# Altium PCB RFSOC_SAWG.PcbDoc (part 15 of 15)
Units mm, origin at the board's own origin, x right, y up, seen from the top; angles counter-clockwise.
Board outline 221.25 x 100 mm, 8 copper layers (Top Layer, Mid-Layer 2, Mid-Layer 3, Mid-Layer 4, Mid-Layer 5, Mid-Layer 6, Mid-Layer 7, Bottom Layer), stack 1.455 mm thick; 1107 components, 833 nets, 3980 pads, 2483 vias.
Unrouted connection lines stored in the file: 1.
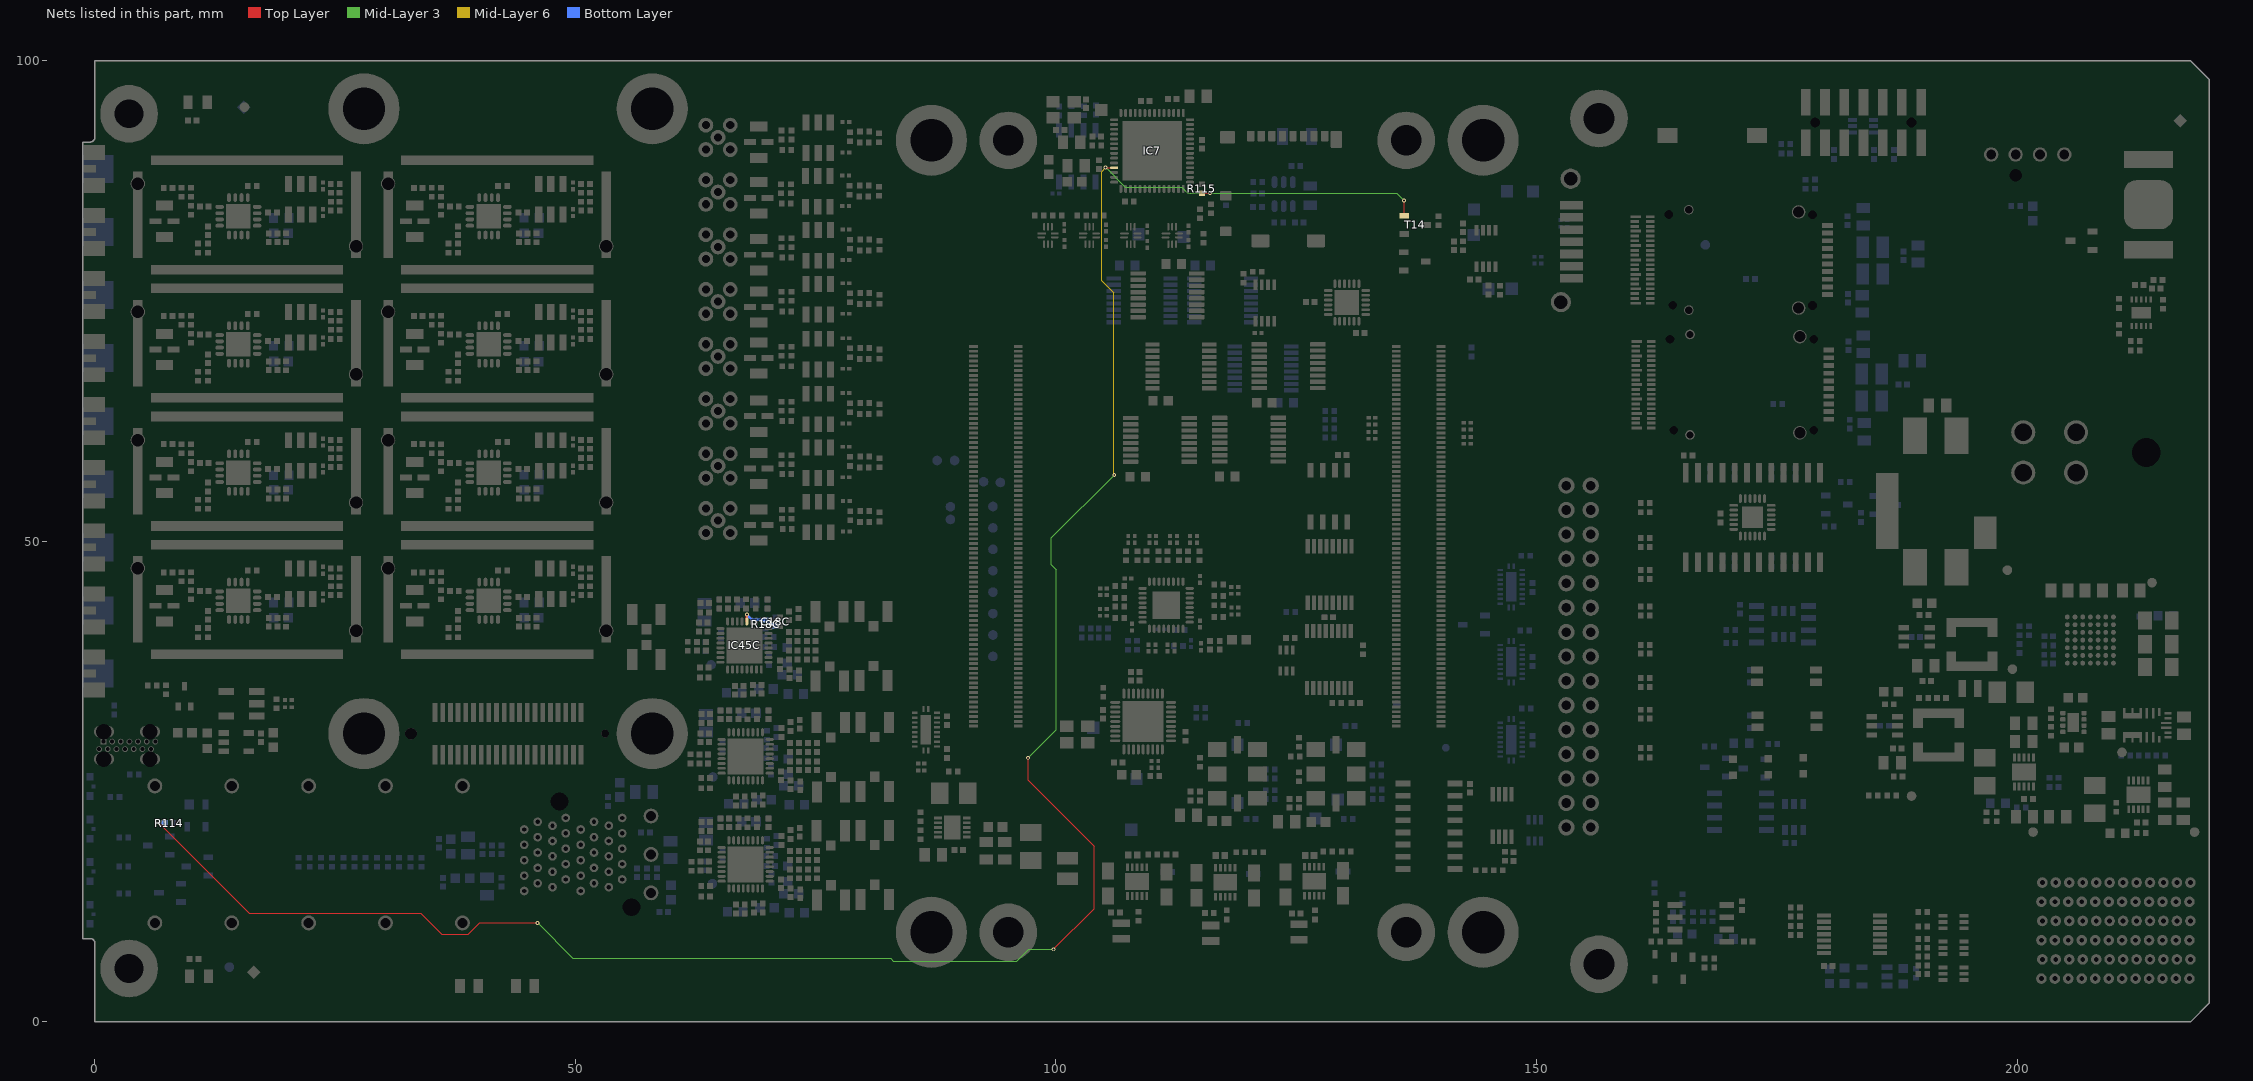
[diagram p21: the nets of this part, all layers, seen from the top]

## Via types
v1: diameter 0.4, hole 0.2, Top Layer to Bottom Layer, tented both sides, 1996 vias
v2: diameter 0.55, hole 0.2, Top Layer to Bottom Layer, 149 vias
v3: diameter 0.5, hole 0.2, Top Layer to Bottom Layer, tented both sides, 106 vias
v4: diameter 0.6, hole 0.3, Top Layer to Bottom Layer, tented both sides, 99 vias
v5: diameter 0.4, hole 0.15, Top Layer to Bottom Layer, tented both sides, 60 vias
v6: diameter 0.6, hole 0.3, Top Layer to Bottom Layer, 32 vias
v7: diameter 0.8, hole 0.5, Top Layer to Bottom Layer, tented both sides, 23 vias
v8: diameter 0.3/0.4/0.4/0.4/0.4/0.3 (per signal layer), hole 0.2, Top Layer to Bottom Layer, tented both sides, 12 vias
v9: diameter 0.4, hole 0.2, Top Layer to Bottom Layer, 5 vias
v10: diameter 0.5, hole 0.2, Top Layer to Bottom Layer, 1 vias

## Nets (pads, with @x,y where several pads share a name; then routed paths per layer and width w, separated by ;. In a path a pad name is that pad's centre, name@x,y a point inside that pad or via, vN(x,y) a via of type N, cw(c..) or ccw(c..) an arc to the next point about the centre after c; other vN are vias at no path point) (continued)
VtuneC: C18C.2 IC45C.20 R18C.2 | length 4.2
  Top Layer w0.254: IC45C.20@67.847,41.668 67.853,41.674 67.853,42.377 v1(67.859,42.383)
  Bottom Layer w0.254: v1(67.859,42.383) 67.859,42.343 68.365,41.838 69.817,41.838 70.178,41.477 70.538,41.477 C18C.2@70.822,41.193
VUSB_PRESENT: IC7.11 R114.2 R115.2 T14.1 | length 227.8
  Top Layer w0.127: v1(6.65,20.725) 16.075,11.3 33.925,11.3 36.125,9.1 38.85,9.1 40.05,10.3 v1(46.075,10.3) ; v1(97.1,27.475) 97.1,25.15 103.991,18.259 103.991,11.79 v1(99.75,7.55) ; v1(105.175,88.9) 105.19,88.885 106.04,88.885 IC7.11@106.055,88.87 ; R115.2@115.2,86.205 115.22,86.225 v1(116.045,86.225) ; T14.1@136.225,83.87 v1(136.225,85.46)
  Mid-Layer 3 w0.127: v1(46.075,10.3) 49.75,6.625 82.8,6.625 83.1,6.325 95.925,6.325 97.15,7.55 v1(99.75,7.55) ; v1(97.1,27.475) 100.025,30.4 100.025,47.05 99.525,47.55 99.525,50.35 v1(106.075,56.9) ; v1(105.175,88.9) 107.225,86.85 113.075,86.85 113.725,86.2 116.019,86.2 v1(116.045,86.225) ; v1@116.045,86.2 135.485,86.2 v1(136.225,85.46)
  Mid-Layer 6 w0.127: v1(105.175,88.9) 104.75,88.475 104.75,77.125 106.025,75.85 106.025,56.95 v1(106.075,56.9)
  Bottom Layer w0.127: v1(6.65,20.725) 7.205,20.725 R114.2@7.255,20.675
pads on no net: D6.5 D8.4 D8.5 D8.6 D10.5 FTG1.FTG2 FTG2.1 FTG3.FTG2 FTG4.1 FTG5.FTG2 FTG6.1 IC2.4 IC2.5 IC2.6 IC2.10 IC2.15 IC4.8 IC4.10 IC4.12 IC4.13 IC4.14 IC4.15 IC5.7 IC7.17 IC7.18 IC7.19 IC7.20 IC7.25 IC7.26 IC7.29 IC7.30 IC7.34 IC7.35 IC7.37 IC7.38 IC7.39 IC7.40 IC7.47 IC7.48 IC7.49 IC7.51 IC7.52 IC7.53 IC7.54 IC14.4 IC17.11 IC21.7 IC21.9 IC21.10 IC21.11 IC21.12 IC22.2 IC22.3 IC22.4 IC22.9 IC22.11 IC22.12 IC22.13 IC22.14 IC22.15 IC22.27 IC22.30 IC22.33 IC22.34 IC22.35 IC23.9 IC24A.4 IC24A.6 IC24A.7 IC24A.8 IC24A.13 IC24A.14 IC24A.15 IC24A.16 IC24B.4 IC24B.6 IC24B.7 IC24B.8 IC24B.13 IC24B.14 IC24B.15 IC24B.16 IC24C.4 IC24C.6 IC24C.7 IC24C.8 IC24C.13 IC24C.14 IC24C.15 IC24C.16 IC24D.4 IC24D.6 IC24D.7 IC24D.8 IC24D.13 IC24D.14 IC24D.15 IC24D.16 IC24E.4 IC24E.6 IC24E.7 IC24E.8 IC24E.13 IC24E.14 IC24E.15 IC24E.16 IC24F.4 IC24F.6 IC24F.7 IC24F.8 IC24F.13 IC24F.14 IC24F.15 IC24F.16 IC24G.4 IC24G.6 IC24G.7 IC24G.8 IC24G.13 IC24G.14 IC24G.15 IC24G.16 IC24H.4 IC24H.6 IC24H.7 IC24H.8 IC24H.13 IC24H.14 IC24H.15 IC24H.16 IC25.7 IC29.7 IC29.8 IC29.12 IC29.13 IC29.16 IC29.17 IC31.3 IC31.5 IC31.6 IC36.B7 IC36.F2 IC36.G5 IC37.7 IC42.16 IC42.17 IC44.4 IC46.5 IC48.7 IC49.7 IC50.7 IC51.7 J1.MECH1 J1.MECH2 J5.41 J5.42 J5.A8 J5.A9 J5.A11 J5.A12 J5.B8 J5.B9 J5.B11 J5.B12 J6.9 J6.13 J6.14 J19.B1 J19.B6 J19.C6 J19.H6 J19.I6 J19.K6 J19.L2 J19.L6 J21.H1 J22.41 J22.42 J22.A8 J22.A9 J22.A11 J22.A12 J22.B8 J22.B9 J22.B11 J22.B12 J23.9 J23.13 J23.14 J24.9 J24.17 J24.19 J24.21 J24.23 J24.25 J24.27 J24.29 J24.31 J24.33 J24.35 J24.37 J24.38 J24.39 J24.40 J24.41 J24.42 J24.44 J24.46 J24.47 J25.1 J25.2 J25.150 J25.152 J34.12 J34.15 J34.16 J38.5 J53.14 J53.15 LD2.3 LD4.3 LD5.3 LD15.3 P1.29 P1.31 P1.33 P1.35 P1.36 P1.M1 P1.M2 S1. S1.1 S2. S2.1 S3. S3.1 S4. S4.1 S5. S5.1 S6. S6.1 S7. S7.1 S8. S8.1 TR2.2 TR4A.1 TR4B.1 TR4C.1 TR4D.1 TR4E.1 TR4F.1 TR4G.1 TR4H.1

## Polygon pours and split planes (outlines as drawn)
STRIP3 on Bottom Layer "esd1" (solid, pour order 44): 0.25,2.27 40,2.27 40,1.05 0.25,1.05
STRIP1 on Bottom Layer "STRIP1_L08_P019" (solid, pour order 19): 217.533,1 217.55,1 218.79,2.24 120,2.24 120,1
STRIP2 on Bottom Layer "esd1" (solid, pour order 18): 82.933,1 100,1 100,2.269 45,2.269 45,1
STRIP3 on Bottom Layer "esd1" (solid, remove dead copper, pour order 15): 0.25,8.675 7.375,8.675 7.375,2.55 40,2.55 40,1.05 0.25,1.05
no net on Mid-Layer 3 "balance" (solid, pour order 62): 0,100 0,0 220,0 220,100 217.3,100
GND on Mid-Layer 3 "GND_L03_P053" (solid, remove dead copper, pour order 53): 151.007,84.982 150.275,84.25 150.275,61 164.625,61 164.65,60.975 165.3,61.625 165.3,84.95
P12V0 on Mid-Layer 3 "P12V0_L03_P054" (solid, pour order 54): 218.995,5.8 194.7,5.8 194.7,2.775 219.029,2.775
P3V3_ADCLK on Mid-Layer 3 "P3V3_ADCLK_L03_P049" (solid, remove dead copper, pour order 49): 116.225,39.175 116.225,47.125 106.55,47.125 106.55,39.175
GND on Top Layer "GND_L01_P051" (solid, remove dead copper, pour order 51): 220.228,16.633 220.178,16.683 182.303,16.683 182.303,58.308 182.603,58.608 220.228,58.608
P12V0 on Top Layer "P12V0_L01_P050" (solid, remove dead copper, pour order 50): 204.55,46.525 204.55,43.35 207.025,40.875 207.025,39.85 207.575,39.3 208.783,39.3 208.9,39.417 208.9,40.9 208.8,41 208.325,41 208.075,41.25 208.075,46.525
STRIP1 on Top Layer "STRIP1_L01_P012" (solid, pour order 12): 217.533,1 217.55,1 218.79,2.24 119.35,2.24 119.35,1
STRIP3 on Top Layer "esd1" (solid, remove dead copper, pour order 11): 0.249,2.28 39.999,2.28 39.999,1.05 0.249,1.05
STRIP3 on Top Layer "STRIP3" (solid, remove dead copper, pour order 43): 0.242,2.152 0.242,8.832 7.342,8.832 7.342,2.182
P5V0 on Top Layer "P5V0_L01_P022" (solid, remove dead copper, pour order 22): 208.2,41.251 208.2,43.825 211.5,43.825 211.725,44.05 211.725,46.05 211.975,46.3 214.575,46.3 214.575,34.375 213.2,33 206.25,33 206.075,33.175 206.075,37.125 206.75,37.8 209.325,37.8 210.015,38.49 210.015,41.266
P3V3 on Top Layer "P3V3_L01_P026" (solid, remove dead copper, pour order 26): 216.925,25.575 203.85,25.575 203.85,29.2 204.425,29.775 207.825,29.775 208.15,30.1 208.15,30.8 208.325,30.975 212.65,30.975 213.475,30.15 213.475,28.625 215.9,28.625 216.925,27.6
P5V0 on Top Layer "P5V0_L01_P023" (solid, remove dead copper, pour order 23): 212.973,33 215.975,33 216.325,32.65 216.325,28.7 216.725,28.3 219.1,28.3 219.525,28.725 219.525,34.825 218.65,35.7 212.975,35.7
STRIP2 on Top Layer "esd1" (solid, pour order 17): 82.933,1 100,1 100,2.269 45,2.269 45,1
no net on Mid-Layer 4 "balance" (solid, pour order 61): 0,100 0,0 220,0 220,100 217.3,100
P3V3A on Mid-Layer 4 "P3V3A_L04_P034" (solid, pour order 34): 61.625,45.15 61.625,12.225 63.65,10.2 80.675,10.2 85.625,15.15 89.325,15.15 90.95,16.775 90.95,20.925 88.325,23.55 77.2,23.55 74.425,26.325 74.425,45.3 61.656,45.226
P1V8 on Mid-Layer 4 "P1V8_L04_P032" (solid, remove dead copper, pour order 32): 213.65,17.475 213.675,17.5 218.425,17.5 219.15,18.225 219.15,78.925 214.125,83.95 139.9,83.95 130.925,74.975 126.75,74.975 126.4,75.325 126.4,83.375 123.525,86.25 117.425,86.25 116.8,85.625 116.8,84.625 117.375,84.05 121.425,80 121.425,78.4 120.75,77.725 119.075,77.725 115.225,81.575 109.325,81.575 101.7,73.95 101.7,41.175 101.7,39.125 103.125,37.7 121.7,37.7 122.5,38.5 122.525,38.475 168.55,38.475 194.275,64.2 208.2,64.2 214.825,57.575 214.825,39.925 212.725,37.825 212.725,18.415 213.222,17.917
P3V3_LDO1 on Mid-Layer 4 "P3V3_LDO1_L04_P056" (solid, remove dead copper, pour order 56): 104.6,35.384 104.612,35.372 104.612,34.734 106.3,33.046 106.3,29.225 107.625,27.9 107.625,26.146 107.911,25.86 108.585,25.86 108.875,26.15 108.875,28.625 107.575,29.925 107.575,33.4 105.275,35.7 104.805,35.7
NetC25_2 on Mid-Layer 4 "NETC25_2_L04_P055" (solid, remove dead copper, pour order 55): 106.425,24.9 105.3,24.9 102.825,27.4 102.825,27.525 102.825,36.575 103.689,37.439 109.136,37.439 109.925,36.65 109.925,35.99 109.71,35.775 104.8,35.775 104.511,35.486 104.511,30.339 106.95,27.9 106.95,25.275 106.975,25.25
P12V0 on Mid-Layer 4 "P12V0_L04_P028" (solid, remove dead copper, pour order 28): 151.45,16.675 192.55,16.675 193.125,16.1 193.125,3.15 193.4,2.875 218.4,2.875 219.25,3.725 219.25,6.3 218.35,7.2 202.425,7.2 201.5,8.125 201.5,32.275 208.925,39.7 208.925,45.85 205.475,49.3 191.75,49.3 167.475,25.025 151.45,25.025
P5V0 on Mid-Layer 4 "P5V0_L04_P029" (solid, remove dead copper, pour order 29): 208.925,39.7 213.25,39.7 214.575,41.025 214.575,52.975 212.275,55.275 186.525,55.275 169.115,37.865 129.94,37.865 112.25,20.175 105.775,20.175 97.9,12.3 97.9,8.9 94.5,5.5 50.525,5.5 41.375,14.65 41.375,33.525 40.775,34.125 37.475,34.125 36.975,33.625 36.975,13.525 47.65,2.85 126.275,2.85 135.325,11.9 148.95,25.525 167.6,25.525 191.575,49.5 205.525,49.5 208.95,46.075 208.95,43.875
P3V3_USB on Mid-Layer 4 "P3V3_USB_L04_P031" (solid, remove dead copper, pour order 31): 18.217,29.35 22.625,29.35 27.7,34.425 49.525,34.425 50.3,33.65 50.3,26.75 54.4,22.65 54.4,7.725 55.8,6.325 91.225,6.325 97.15,12.25 101.275,16.375 101.275,73.9 108.3,80.925 109.075,81.7 115.375,81.7 119.125,77.95 120.75,77.95 121.3,78.5 121.3,79.85 117.5,83.65 116.625,84.525 116.625,97 116.425,97.2 99.4,97.2 98.375,96.175 98.375,86.15 96.55,84.325 96.55,79.2 97.8,77.95 97.8,16.775 94.85,13.825 86.575,13.825 81.525,8.775 61.55,8.775 56.575,13.75 56.575,24.3 52.7,28.175 52.7,34.65 50.75,36.6 23.3,36.6 18.191,31.491
P3V6_CLK on Mid-Layer 4 "P3V6_CLK_L04_P027" (solid, remove dead copper, pour order 27): 188.3,16.1 188.3,14.475 179.375,5.55 124.575,5.55 124.15,5.975 124.15,7.8 124.55,8.2 149.875,8.2 157.775,16.1
P3V3_SD on Mid-Layer 4 "P3V3_SD_L04_P033" (solid, remove dead copper, pour order 33): 122.831,91.474 122.85,91.455 122.85,87.275 126.425,83.7 126.425,75.3 126.725,75 130.925,75 139.887,83.962 132.306,91.544
P1V8_USB on Mid-Layer 4 "P1V8_USB_L04_P030" (solid, remove dead copper, pour order 30): 104.817,94.475 112.5,94.475 113.975,95.95 114.863,95.95 115.4,95.413 115.4,94.725 114.3,93.625 114.3,89.532 115.099,88.734 115.099,88.028 114.77,87.7 113.925,87.7 112.05,89.575 112.05,92.35 111.625,92.775 104.925,92.775 104.775,92.925
no net on Mid-Layer 5 "balance" (solid, pour order 64): 0,100 0,0 220,0 220,100 217.3,100
P5V0A on Mid-Layer 5 "P5V0A_L05_P048" (solid, pour order 48): 71.575,10.15 77.775,10.15 78,10.375 78,44 74.675,47.325 55.35,47.325 54.45,48.225 54.45,89.1 52.9,90.65 51.95,90.65 5.65,90.65 3.25,88.25 3.25,37.725 3.9,37.075 63.944,37.075 71.575,29.444
P3V3 on Mid-Layer 5 "P3V3_L05_P035" (solid, pour order 35): -0.558,2.775 219.675,2.775 219.675,96.65 98.325,96.65 98.325,22.475 84.125,8.275 63,8.275 58.475,12.8 58.475,13.65 58.475,27.825 51.775,34.525 -0.425,34.525
STRIP1 on Mid-Layer 5 "STRIP1_L05_P021" (solid, pour order 21): 121.35,1 121.35,2.525 41.8,2.525 41.8,4.2 40.4,4.2 40.4,1.025 41.25,1.025
no net on Mid-Layer 6 "balance" (solid, pour order 63): 0,100 0,0 220,0 220,100 217.3,100
P12V0 on Mid-Layer 6 "P12V0_L06_P052" (solid, pour order 52): 219.029,2.775 194.7,2.775 194.7,5.8 218.995,5.8
GND on Mid-Layer 7 (split plane): 219.49,97.828 219.49,2.172 217.828,0.51 0.51,0.51 0.51,8.2 0.509,8.211 0.502,8.329 0.477,8.455 0.435,8.577 0.378,8.693 0.307,8.8 0.222,8.897 0.125,8.982 0.017,9.053 -0.098,9.11 -0.22,9.152 -0.347,9.177 -0.465,9.185 -0.475,9.186 -0.74,9.186 -0.74,91.037 -0.475,91.037 -0.465,91.038 -0.347,91.046 -0.22,91.071 -0.098,91.112 0.017,91.169 0.125,91.241 0.222,91.326 0.307,91.423 0.378,91.53 0.435,91.645 0.477,91.767 0.502,91.894 0.509,92.012 0.51,92.022 0.51,99.49 217.827,99.49
GND on Mid-Layer 2 (split plane): 219.49,97.828 219.49,2.172 217.828,0.51 0.51,0.51 0.51,8.2 0.509,8.211 0.502,8.329 0.477,8.455 0.435,8.577 0.378,8.693 0.307,8.8 0.222,8.897 0.125,8.982 0.017,9.053 -0.098,9.11 -0.22,9.152 -0.347,9.177 -0.465,9.185 -0.475,9.186 -0.74,9.186 -0.74,91.037 -0.475,91.037 -0.465,91.038 -0.347,91.046 -0.22,91.071 -0.098,91.112 0.017,91.169 0.125,91.241 0.222,91.326 0.307,91.423 0.378,91.53 0.435,91.645 0.477,91.767 0.502,91.894 0.509,92.012 0.51,92.022 0.51,99.49 217.827,99.49

## Keep-outs
Top Layer:
  lines w0.2: 88.918,88.121 90.328,84.697 96.55,78.475 98.075,76.95 98.075,76.2 98.075,70.025
Mid-Layer 3:
  lines w0.5: 57.7,27.35 57.7,26.65 60.11,24.24 60.11,22.11 60.11,11.94 62.525,9.525 81.425,9.525 84.475,12.575
Mid-Layer 4:
  lines w0.5: 57.7,27.325 57.7,26.675 60.11,24.265 60.11,22.11 60.11,11.94 62.525,9.525 81.45,9.525 84.475,12.55
Mid-Layer 5:
  lines w0.5: 57.7,27.35 57.7,26.65 60.11,24.24 60.11,22.11 60.11,11.94 62.525,9.525 81.45,9.525 84.475,12.55
Mid-Layer 6:
  lines w0.5: 57.7,27.3 57.7,26.65 60.11,24.24 60.11,22.11 60.11,11.94 62.525,9.525 81.4,9.525 84.45,12.575
Keep-Out Layer:
  drawing of 8159 lines, arcs and shapes, not listed

## Other copper
Top Layer:
  rectangle net ADC_CLK_224_P: 73.446,14.82 74.164,15.203
  rectangle net ADC_CLK_224_N: 73.461,15.601 74.178,15.984
  rectangle net ADC_CLK_225_P: 73.446,16.72 74.164,17.103
  rectangle net ADC_CLK_225_N: 73.461,17.501 74.178,17.884
  rectangle net ADC_CLK_226_P: 73.446,26.061 74.164,26.443
  rectangle net ADC_CLK_226_N: 73.461,26.842 74.178,27.224
  rectangle net ADC_CLK_227_P: 73.446,27.961 74.164,28.343
  rectangle net ADC_CLK_227_N: 73.461,28.742 74.178,29.124
  rectangle net DAC_CLK_228_P: 73.318,37.594 74.035,37.977
  rectangle net DAC_CLK_228_N: 73.332,38.375 74.05,38.758
  rectangle net DAC_CLK_229_P: 73.318,39.494 74.035,39.877
  rectangle net DAC_CLK_229_N: 73.332,40.275 74.05,40.658
  rectangle net STRIP2: 45.231,1.975 46.225,3.118
  rectangle net P5V0A: 75.225,10.15 78.014,11
  rectangle net P3V6_CLK: 124.225,7.1 126.925,7.725
  rectangle net P3V6_CLK: 185.45,15.375 187.975,16.1
  rectangle net P3V3A: 87.177,19.191 87.672,19.875
  rectangle net STRIP3: 37.606,1.779 38.431,3.329
  pour cut-out: 204.572,37.329 204.572,42.639 204.572,42.992 205.237,42.639 205.237,37.329
  pour cut-out: 194.725,29.092 194.725,30.591 189.19,30.591 189.19,29.092
  pour cut-out: 198.2,38.525 198.2,40.025 192.661,40.025 192.661,38.525
  region net NetC136_2: 188.097,31.085 188.865,31.853 189.171,32.593 189.672,32.593 189.672,30.784 189.423,30.535 188.097,30.535
  region net NetC141_2: 191.45,40.325 192.316,41.191 192.661,42.025 193.025,42.025 193.025,40.024 192.776,39.775 191.45,39.775
  region net P5V0: 134.35,32.422 134.25,32.322 134.25,29.322 134.75,28.822 140.597,28.822 141.25,29.475 141.25,31.322 140.65,31.922 139.55,31.922 139.35,32.122 136.228,32.122 135.928,32.422 134.85,32.422
  text "T" at 196.363,94.811 h1.52
Mid-Layer 3:
  text "3" at 201.027,94.811 h1.52
Mid-Layer 4:
  text "4" at 203.36,94.811 h1.52
Mid-Layer 5:
  pour cut-out: 196.109,96.607 196.109,94.466 213.959,94.466 213.959,96.607
  text "5" at 205.692,94.811 h1.52
Mid-Layer 6:
  text "6" at 208.024,94.811 h1.52
Bottom Layer:
  rectangle net GND: 107.358,13.625 109.5,15.688
  rectangle net GND: 116.533,13.55 118.675,15.613
  rectangle net GND: 125.783,13.65 127.925,15.713
  rectangle net GND: 210.875,22.35 214.225,24.7
  rectangle net GND: 199.325,24.875 202.075,27.1
  rectangle net GND: 107.45,29.4 110.875,33.125
  rectangle net GND: 216.68,41.059 217.504,41.438
  rectangle net GND: 85.945,28.85 87.025,31.945
  rectangle net GND: 88.35,18.925 90.075,21.45
  rectangle net GND: 110.05,41.925 112.875,44.775
  rectangle net GND: 65.755,37.35 69.275,41.02
  rectangle net GND: 65.858,25.817 69.378,29.487
  rectangle net GND: 65.886,14.586 69.406,18.256
  rectangle net GND: 171.325,51.4 173.575,53.6
  rectangle net GND: 106.5,86.975 113.75,94.5
  rectangle net GND: 128.271,72.96 132.358,76.773
  text "B" at 212.688,94.811 h1.52
Mid-Layer 2 (plane layer: these items are gaps in the copper):
  rectangle: 134.851,59.029 135.928,59.977
  rectangle: 134.868,57.531 135.945,58.479
  rectangle: 134.888,56.039 135.964,56.987
  rectangle: 134.904,54.506 135.98,55.454
  rectangle: 139.554,54.03 140.63,54.979
  rectangle: 139.537,55.563 140.614,56.511
  rectangle: 139.518,57.055 140.594,58.004
  rectangle: 139.501,58.553 140.577,59.501
  rectangle: 152.421,81.982 154.874,84.193
  rectangle: 152.422,78.152 154.875,80.363
  rectangle: 161.488,62.15 162.399,62.95
  rectangle: 159.888,62.15 160.799,62.95
  rectangle: 161.488,63.65 162.399,64.45
  rectangle: 159.888,63.65 160.799,64.45
  rectangle: 161.488,68.15 162.399,68.95
  rectangle: 159.888,68.15 160.799,68.95
  rectangle: 161.488,69.65 162.399,70.45
  rectangle: 159.888,69.65 160.799,70.45
  rectangle: 161.363,75.125 162.274,75.925
  rectangle: 159.763,75.125 160.674,75.925
  rectangle: 161.363,76.625 162.274,77.425
  rectangle: 159.763,76.625 160.674,77.425
  rectangle: 161.363,81.125 162.274,81.925
  rectangle: 161.363,82.625 162.274,83.425
  rectangle: 159.763,81.125 160.674,81.925
  rectangle: 159.763,82.625 160.674,83.425
  rectangle: 199.965,94.482 213.959,96.607
  rectangle: 196.109,94.466 198.399,96.607
  lines w0.45: 163.2,83.288 163.775,84
  lines w0.5: 58,30 58,26.35 60.1,24.25 60.1,11.95 62.55,9.5 81.45,9.5 84.5,12.55
  lines w1.4: 44.692,15.22 46.072,14.42 ; 44.692,20.02 46.072,19.22 ; 53.492,15.62 54.872,14.82 ; 53.492,20.42 54.872,19.62
  text "2" at 198.695,94.811 h1.52
Mid-Layer 7 (plane layer: these items are gaps in the copper):
  rectangle: 211.759,94.482 213.959,96.607
  rectangle: 196.109,94.483 210.009,96.607
  lines w0.45: 163.2,83.288 163.65,83.775
  lines w0.5: 58,30 58,26.275 60.025,24.25 60.025,11.975 62.5,9.5 81.425,9.5 84.475,12.55 84.475,12.65
  lines w1.4: 44.692,15.22 46.072,14.42 ; 44.692,20.02 46.072,19.22 ; 53.492,15.62 54.872,14.82 ; 53.492,20.42 54.872,19.62
  text "7" at 210.356,94.811 h1.52

## Silkscreen, mask and mechanical layers (free items; w line width, h text height)
Top Overlay:
  drawing of 1283 lines, arcs and shapes, not listed
  text "microSD" at 120.375,96.075 h1.52
  text "RESET" at 166.2,94.95 h1.52
  text "FAN" at 195.304,90.012 h0.7 r90
  text "ADC7" at 58.268,89.675 h1.52
  text "JTAG" at 181.673,88.274 h1.52
  text "DAC0" at 3.299,87.025 h1.52 r90
  text "DAC1" at 36.603,86.777 h1.52
  text "DAC0" at 10.596,86.686 h1.52
  text "ADC3" at 58.267,84.074 h1.52
  text "PWM" at 196.988,83.751 h0.7 r90
  text "TACH" at 200.388,83.751 h0.7 r90
  text "P12V0" at 203.088,83.751 h0.7 r90
  text "GND" at 205.563,83.751 h0.7 r90
  text "DAC1" at 3.3,80.65 h1.52 r90
  text "ADC6" at 58.255,78.474 h1.52
  text "FFB" at 182.7,78.15 h1.52 r90
  text "DAC2" at 3.3,73.9 h1.52 r90
  text "DAC3" at 36.603,73.393 h1.52
  text "DAC2" at 10.598,73.304 h1.52
  text "ADC2" at 58.276,72.875 h1.52
  text "ADC5" at 58.248,67.274 h1.52
  text "DAC3" at 3.299,67.225 h1.52 r90
  text "FFA" at 182.825,65.325 h1.52 r90
  text "ADC1" at 58.43,61.675 h1.52
  text "DAC4" at 3.3,60.975 h1.52 r90
  text "DAC5" at 36.603,60.01 h1.52
  text "DAC4" at 10.559,59.921 h1.52
  text "ADC4" at 58.238,56.076 h1.52
  text "DAC5" at 3.299,54.15 h1.52 r90
  text "ADC0" at 58.275,50.475 h1.52
  text "DAC6" at 3.299,47.75 h1.52 r90
  text "DAC7" at 36.603,46.627 h1.52
  text "DAC6" at 10.576,46.536 h1.52
  text "P12V0" at 197.6,45.55 h0.7
  text "P5V0" at 216.4,44.95 h0.7
  text "DAC" at 70.875,44.325 h1
  text "DAC / SYSREFCLK" at 54.175,44.3 h0.7
  text "IO1" at 167.92,42.943 h1.5
  text "IO0" at 171.82,42.943 h1.5
  text "Boot" at 175.795,42.95 h1.5
  text "P5V5A" at 183.35,42.925 h0.7
  text "0" at 167.92,41.577 h1.5
  text "0" at 171.82,41.577 h1.5
  text "JTAG" at 175.795,41.577 h1.5
  text "229" at 84.569,41.363 h1 r90
  text "DAC7" at 3.301,41.1 h1.52 r90
  text "N" at 55.625,40.2 h1 r90
  text "0" at 167.92,40.21 h1.5
  text "1" at 171.82,40.21 h1.5
  text "QSPI" at 175.795,40.21 h1.5
  text "N" at 77.398,39.965 h1
  text "P" at 81.95,39.975 h1
  text "P" at 55.625,39.2 h1 r90
  text "1" at 167.92,38.843 h1.5
  text "1" at 171.82,38.843 h1.5
  text "uSD" at 175.795,38.843 h1.5
  text "N" at 81.922,37.218 h1
  text "P" at 77.372,37.168 h1
  text "IO1" at 169.61,36.205 h0.7
  text "IO0" at 169.535,34.93 h0.7
  text "EXT / CLK" at 3.658,34.432 h1.52 r90
  text "228" at 84.675,34.175 h1 r90
  text "PLL 0" at 61.225,33.825 h1.52
  text "P3V3" at 216.782,33.728 h0.7
  text "ADC" at 71.044,32.018 h1
  text "JTAGen" at 167.075,31.825 h0.7
  text "Helper" at 117.655,30.554 h1
  text "Main" at 127.31,30.28 h1
  text "IO2" at 169.517,30.261 h0.7
  text "227" at 84.519,29.763 h1 r90
  text "P" at 82.075,28.475 h1
  text "N" at 77.501,28.433 h1
  text "P1V8" at 217.082,26.003 h0.7
  text "N" at 82.05,25.685 h1
  text "P" at 77.5,25.635 h1
  text "P3V6 / CLK" at 190.5,23 h0.7
  text "226" at 84.544,22.663 h1 r90
  text "PLL 1" at 61.152,22.322 h1.52
  text "P5V0A" at 170.786,20.949 h0.7 r90
  text "P12V0" at 178.405,20.949 h0.7 r90
  text "P3V3 / LDO1" at 175.186,20.799 h0.7 r90
  text "ADC" at 71.01,20.68 h1
  text "P5V0A" at 195.575,19.2 h0.7
  text "225" at 84.595,18.444 h1 r90
  text "N" at 77.498,17.203 h1
  text "P" at 82.075,17.2 h1
  text "P3V3 / LDO2" at 103.6,16.975 h0.7
  text "P3V3 / LDO3" at 122.225,16.825 h0.7
  text "P3V3 / LDO1" at 113.125,16.775 h0.7
  text "RFSoC SAWG v1.0" at 167.648,16.126 h2
  text "P3V3A" at 87.019,15.434 h0.7
  text "N" at 82.05,14.444 h1
  text "P" at 77.5,14.394 h1
  text "224" at 84.595,12.351 h1 r90
  text "PLL 2" at 61.152,10.522 h1.52
Bottom Overlay:
  drawing of 1237 lines, arcs and shapes, not listed
  text "UART_TX" at 147.258,85.075 h0.8 r90
  text "UART_RX" at 149.958,85.075 h0.8 r90
  text "USB_SCL" at 142.075,84.392 h0.8
  text "FPGA_Rx" at 109.9,83.817 h0.8
  text "FPGA_Tx" at 115.8,83.817 h0.8
  text "USB_SDA" at 142.075,81.537 h0.8
  text "PSBATT" at 172.425,80.425 h0.8
  text "1V8_SCL" at 145.334,75.07 h0.8 r90
  text "1V8_SDA" at 147.758,75.07 h0.8 r90
  text "CLKF" at 89.7,59.275 h0.8
  text "CLKE" at 94.525,57 h0.8
  text "CLKD" at 88.35,54.3 h0.8 r90
  text "VCM7" at 92.7,53.1 h0.8
  text "VCM6" at 92.7,51.075 h0.8
  text "VCM5" at 92.7,48.8 h0.8
  text "VCM4" at 92.7,46.475 h0.8
  text "RFSoC SAWG v1.0" at 129.746,46.171 h2
  text "VCM3" at 92.7,44.425 h0.8
  text "VCM2" at 92.7,42.075 h0.8
  text "VCM1" at 92.7,39.825 h0.8
  text "VCM0" at 92.7,37.6 h0.8
  text "GND" at 138.425,32.725 h0.8
  text "Helper_SCL" at 117.55,28.542 h0.8
  text "Main_SCL" at 127.85,28.542 h0.8
  text "P5V0" at 141.925,27.025 h0.8
  text "P3V3_LDO1" at 107.1,24.992 h0.8
  text "Main_SDA" at 128.05,22.942 h0.8
  text "Helper_SDA" at 117.6,22.467 h0.8
  text "P3V3_LDO2" at 106.575,19.717 h0.8
  text "P3V3_LDO3" at 127.925,19.217 h0.8
Top Solder:
  rectangle: 0.271,1.013 219.066,2.275
  rectangle: 0.271,2.74 7.35,8.8
  region: 206.037,51.755 206.037,48.255 219.999,48.255 219.999,51.755
Bottom Solder:
  rectangle: 0.246,0.875 219.041,2.325
  rectangle: 0.246,2.805 7.35,8.8
  region: 206.037,51.755 206.037,48.255 219.999,48.255 219.999,51.755
Mechanical 1:
  lines w0.15: -0.001,0 218.038,0 220,1.961 220,98.039 218.038,100 -0.001,100 ; 0,0 0,8.2 ccw(c-0.475,8.2) -0.475,8.675 -0.721,8.675 -1.25,8.675 -1.25,91.547 -0.863,91.547 -0.475,91.547 ccw(c-0.475,92.022) 0,92.022 0,100
  lines w0.381: 125.073,111.679 135.484,111.679 159.1,111.679 180.938,111.679 197.444,111.679 211.918,111.679 ; 125.073,114.727 135.484,114.727 159.1,114.727 180.938,114.727 197.444,114.727 211.918,114.727 ; 125.073,117.775 135.484,117.775 159.1,117.775 180.938,117.775 197.444,117.775 211.918,117.775 ; 125.073,120.823 135.484,120.823 159.1,120.823 180.938,120.823 197.444,120.823 211.918,120.823 ; 125.073,123.871 135.484,123.871 159.1,123.871 180.938,123.871 197.444,123.871 211.918,123.871 ; 125.073,126.919 135.484,126.919 159.1,126.919 180.938,126.919 197.444,126.919 211.918,126.919 ; 125.073,129.967 135.484,129.967 159.1,129.967 180.938,129.967 197.444,129.967 211.918,129.967 ; 125.073,133.015 135.484,133.015 159.1,133.015 180.938,133.015 197.444,133.015 211.918,133.015 ; 125.073,136.063 135.484,136.063 159.1,136.063 180.938,136.063 197.444,136.063 211.918,136.063 ; 125.073,139.111 135.484,139.111 159.1,139.111 180.938,139.111 197.444,139.111 211.918,139.111 ; 125.073,142.159 135.484,142.159 159.1,142.159 180.938,142.159 197.444,142.159 211.918,142.159 ; 125.073,145.207 135.484,145.207 159.1,145.207 180.938,145.207 197.444,145.207 211.918,145.207 ; 125.073,148.255 135.484,148.255 159.1,148.255 180.938,148.255 197.444,148.255 211.918,148.255 ; 125.073,151.303 135.484,151.303 159.1,151.303 180.938,151.303 197.444,151.303 211.918,151.303 ; 125.073,154.351 135.484,154.351 159.1,154.351 180.938,154.351 197.444,154.351 211.918,154.351 ; 125.073,157.399 135.484,157.399 159.1,157.399 180.938,157.399 197.444,157.399 211.918,157.399 ; 125.073,160.447 135.484,160.447 159.1,160.447 180.938,160.447 197.444,160.447 211.918,160.447 ; 125.073,163.495 135.484,163.495 159.1,163.495 180.938,163.495 197.444,163.495 211.918,163.495 ; 125.073,166.543 211.918,166.543 ; 135.484,169.591 135.484,108.631 ; 159.1,169.591 159.1,108.631 ; 180.938,169.591 180.938,108.631 ; 197.444,169.591 197.444,108.631 ; 135.484,108.631 159.1,108.631 ; 135.484,108.631 125.073,108.631 125.073,169.591 211.918,169.591 211.918,108.631 197.444,108.631 ; 159.1,108.631 180.938,108.631 ; 180.938,108.631 197.444,108.631
  text "Layer" at 126.851,167.305 h1.52
  text "Name" at 137.262,167.305 h1.52
  text "Material" at 160.878,167.305 h1.52
  text "Thickness" at 182.716,167.305 h1.52
  text "Constant" at 199.222,167.305 h1.52
  text "Top Overlay" at 137.262,164.257 h1.52
  text "Top Solder" at 137.262,161.209 h1.52
  text "Solder Resist" at 160.878,161.209 h1.52
  text "0,010mm" at 182.716,161.209 h1.52
  text "3.5" at 199.222,161.209 h1.52
  text "1" at 126.851,158.161 h1.52
  text "Top Layer" at 137.262,158.161 h1.52
  text "0,047mm" at 182.716,158.161 h1.52
  text "Dielectric 1" at 137.262,155.113 h1.52
  text "FR-4" at 160.878,155.113 h1.52
  text "0,063mm" at 182.716,155.113 h1.52
  text "4.3" at 199.222,155.113 h1.52
  text "2" at 126.851,152.065 h1.52
  text "Mid-Layer 2" at 137.262,152.065 h1.52
  text "0,018mm" at 182.716,152.065 h1.52
  text "Dielectric3" at 137.262,149.017 h1.52
  text "FR-4" at 160.878,149.017 h1.52
  text "0,200mm" at 182.716,149.017 h1.52
  text "4.2" at 199.222,149.017 h1.52
  text "3" at 126.851,145.969 h1.52
  text "Mid-Layer 3" at 137.262,145.969 h1.52
  text "0,018mm" at 182.716,145.969 h1.52
  text "Dielectric5" at 137.262,142.921 h1.52
  text "FR-4" at 160.878,142.921 h1.52
  text "0,110mm" at 182.716,142.921 h1.52
  text "4.2" at 199.222,142.921 h1.52
  text "4" at 126.851,139.873 h1.52
  text "Mid-Layer 4" at 137.262,139.873 h1.52
  text "0,018mm" at 182.716,139.873 h1.52
  text "Dielectric6" at 137.262,136.825 h1.52
  text "FR-4" at 160.878,136.825 h1.52
  text "0,510mm" at 182.716,136.825 h1.52
  text "4.2" at 199.222,136.825 h1.52
  text "5" at 126.851,133.777 h1.52
  text "Mid-Layer 5" at 137.262,133.777 h1.52
  text "0,018mm" at 182.716,133.777 h1.52
  text "Dielectric2" at 137.262,130.729 h1.52
  text "FR-4" at 160.878,130.729 h1.52
  text "0,110mm" at 182.716,130.729 h1.52
  text "4.2" at 199.222,130.729 h1.52
  text "6" at 126.851,127.681 h1.52
  text "Mid-Layer 6" at 137.262,127.681 h1.52
  text "0,018mm" at 182.716,127.681 h1.52
  text "Dielectric4" at 137.262,124.633 h1.52
  text "FR-4" at 160.878,124.633 h1.52
  text "0,200mm" at 182.716,124.633 h1.52
  text "4.2" at 199.222,124.633 h1.52
  text "7" at 126.851,121.585 h1.52
  text "Mid-Layer 7" at 137.262,121.585 h1.52
  text "0,018mm" at 182.716,121.585 h1.52
  text "Dielectric7" at 137.262,118.537 h1.52
  text "FR-4" at 160.878,118.537 h1.52
  text "0,063mm" at 182.716,118.537 h1.52
  text "4.3" at 199.222,118.537 h1.52
  text "8" at 126.851,115.489 h1.52
  text "Bottom Layer" at 137.262,115.489 h1.52
  text "0,047mm" at 182.716,115.489 h1.52
  text "Bottom Solder" at 137.262,112.441 h1.52
  text "Solder Resist" at 160.878,112.441 h1.52
  text "0,010mm" at 182.716,112.441 h1.52
  text "3.5" at 199.222,112.441 h1.52
  text "Bottom Overlay" at 137.262,109.393 h1.52
Mechanical 2:
  circle w0.254: c87.05,9.322 r1.6
  circle w0.254: c144.45,9.322 r1.6
  circle w0.254: c144.45,91.722 r1.6
  circle w0.254: c87.05,91.722 r1.6
  lines w0.1: 83.25,5.522 148.25,5.522 148.25,95.522 83.25,95.522 83.25,5.522
  lines w0.127: -5.031,-14.2 -5.031,115.628 ; -2.525,-15.403 -2.525,114.197 ; 0.468,5.514 3.569,5.514 6.747,5.514 ; 0.468,94.45 3.569,94.45 6.747,94.45 ; 3.569,2.117 3.569,5.55 3.569,10.011 ; 3.569,91.053 3.569,94.486 3.569,98.946 ; 28,31 28,104 ; 58,30 58,103

## Text inside footprints (layer, text, board x,y; h text height)
FL2A: Drill Drawing "Filled and Capped via" at 68.189,53.85 h0.5 r270
FL2B: Drill Drawing "Filled and Capped via" at 68.189,65.175 h0.5 r270
FL2C: Drill Drawing "Filled and Capped via" at 68.189,76.525 h0.5 r270
FL2D: Drill Drawing "Filled and Capped via" at 68.189,87.889 h0.5 r270
FL2E: Drill Drawing "Filled and Capped via" at 68.189,59.725 h0.5 r270
FL2F: Drill Drawing "Filled and Capped via" at 68.189,71.226 h0.5 r270
FL2G: Drill Drawing "Filled and Capped via" at 68.189,81.975 h0.5 r270
FL2H: Drill Drawing "Filled and Capped via" at 68.189,93.682 h0.5 r270
FL3A: Drill Drawing "Filled and Capped via" at 6.35,85.45 h0.5 r270
FL3B: Drill Drawing "Filled and Capped via" at 32.385,85.45 h0.5 r270
FL3C: Drill Drawing "Filled and Capped via" at 6.35,72.115 h0.5 r270
FL3D: Drill Drawing "Filled and Capped via" at 32.385,72.115 h0.5 r270
FL3E: Drill Drawing "Filled and Capped via" at 6.35,58.78 h0.5 r270
FL3F: Drill Drawing "Filled and Capped via" at 32.385,58.78 h0.5 r270
FL3G: Drill Drawing "Filled and Capped via" at 6.35,45.445 h0.5 r270
FL3H: Drill Drawing "Filled and Capped via" at 32.385,45.445 h0.5 r270
J7: Mechanical 8 "PCB EDGE" at -1.7,32.85 h1.02 r90
J10: Mechanical 8 "PCB EDGE" at -1.7,85.35 h1.02 r90
J12: Mechanical 8 "PCB EDGE" at -1.7,78.787 h1.02 r90
J14: Mechanical 8 "PCB EDGE" at -1.7,72.225 h1.02 r90
J16: Mechanical 8 "PCB EDGE" at -1.7,65.662 h1.02 r90
J19: Drill Drawing "PRESS-FIT TECHNOLOGY" at 218.688,17 h1 r180; Drill Drawing "Diam. 0.5mm +/-0.05" at 218.688,18.5 h1 r180; Top Overlay "A" at 218.438,1.3 h1 r90; Top Overlay "B" at 217.038,1.3 h1 r90; Top Overlay "C" at 215.638,1.3 h1 r90; Top Overlay "D" at 214.238,2.3 h1 r90; Top Overlay "E" at 212.838,2.3 h1 r90; Top Overlay "F" at 211.438,2.3 h1 r90; Top Overlay "G" at 210.038,2.3 h1 r90; Top Overlay "H" at 208.638,2.3 h1 r90; Top Overlay "I" at 207.238,2.55 h1 r90; Top Overlay "J" at 205.838,2.3 h1 r90; Top Overlay "K" at 204.438,2.3 h1 r90; Top Overlay "L" at 203.038,2.3 h1 r90; Top Overlay "1" at 197.988,4.15 h1 r90; Top Overlay "2" at 197.988,6.15 h1 r90; Top Overlay "3" at 197.988,8.15 h1 r90; Top Overlay "4" at 197.988,10.15 h1 r90; Top Overlay "5" at 197.988,12.15 h1 r90; Top Overlay "6" at 197.988,14.15 h1 r90; Mechanical 8 "Top Surface of Mother Board" at 232.288,5.125 h0.5 r90; Mechanical 8 "Edge of Daugher Card" at 220.788,6.275 h0.5 r90; Mechanical 14 "A" at 218.438,1.3 h1 r90; Mechanical 14 "B" at 217.038,1.3 h1 r90; Mechanical 14 "C" at 215.638,1.3 h1 r90; Mechanical 14 "D" at 214.238,2.3 h1 r90; Mechanical 14 "E" at 212.838,2.3 h1 r90; Mechanical 14 "F" at 211.438,2.3 h1 r90; Mechanical 14 "G" at 210.038,2.3 h1 r90; Mechanical 14 "H" at 208.638,2.3 h1 r90; Mechanical 14 "I" at 207.238,2.55 h1 r90; Mechanical 14 "J" at 205.838,2.3 h1 r90; Mechanical 14 "K" at 204.438,2.3 h1 r90; Mechanical 14 "L" at 203.038,2.3 h1 r90; Mechanical 14 "1" at 197.988,4.15 h1 r90; Mechanical 14 "2" at 197.988,6.15 h1 r90; Mechanical 14 "3" at 197.988,8.15 h1 r90; Mechanical 14 "4" at 197.988,10.15 h1 r90; Mechanical 14 "5" at 197.988,12.15 h1 r90; Mechanical 14 "6" at 197.988,14.15 h1 r90
J20: Mechanical 8 "PCB EDGE" at -1.7,59.1 h1.02 r90
J21: Mechanical 13 "1" at 204.93,88.25 h1 r270
J24: Top Overlay "1" at 139.25,29.222 h1 r270; Top Overlay "2" at 135.25,29.322 h1 r270; Mechanical 14 "1" at 139.25,29.222 h1 r270; Mechanical 14 "2" at 135.25,29.322 h1 r270
J25: Top Overlay "1" at 95.25,29.222 h1 r270; Top Overlay "2" at 91.25,29.322 h1 r270; Mechanical 14 "1" at 95.25,29.222 h1 r270; Mechanical 14 "2" at 91.25,29.322 h1 r270
J27: Mechanical 8 "PCB EDGE" at -1.7,52.537 h1.02 r90
J32: Top Overlay "30" at 157.051,20.873 h1.02 r270; Mechanical 14 "30" at 157.051,20.873 h1.02 r270
J35: Mechanical 8 "PCB EDGE" at -1.7,45.975 h1.02 r90
J36: Mechanical 8 "PCB EDGE" at -1.7,39.412 h1.02 r90
J38: Top Overlay "1" at 205.2,63.725 h1.2 r270; Mechanical 14 "1" at 205.2,63.725 h1.2 r270
J53: Drill Drawing "PRESS-FIT TECHNOLOGY" at 8.509,20.722 h1; Drill Drawing "2x diam. 1.85mm +/-0.05" at 7.584,18.822 h1; Drill Drawing "PRESS-FIT TECHNOLOGY" at 8.509,20.722 h1; Drill Drawing "40x diam. 0.45mm +0.06/-0.04" at 7.659,16.872 h1; Drill Drawing "13x diam. 1.05mm +/-0.05" at 7.659,14.797 h1; Top Overlay "LOWER" at 43.584,15.222 h1 r90; Top Overlay "UPPER" at 56.784,15.32 h1 r90; Mechanical 8 "PCB EDGE" at 3.059,13.997 h1 r90; Mechanical 14 "LOWER" at 43.584,15.222 h1 r90; Mechanical 14 "UPPER" at 56.784,15.32 h1 r90
MP1A: Mechanical 2 "recommended tin paste thickness=0.5mm / customer to define the final stencil gap" at 21.528,91.96 h0.4 r180
MP1B: Mechanical 2 "recommended tin paste thickness=0.5mm / customer to define the final stencil gap" at 47.563,91.96 h0.4 r180
MP1C: Mechanical 2 "recommended tin paste thickness=0.5mm / customer to define the final stencil gap" at 21.528,78.625 h0.4 r180
MP1D: Mechanical 2 "recommended tin paste thickness=0.5mm / customer to define the final stencil gap" at 47.563,78.625 h0.4 r180
MP1E: Mechanical 2 "recommended tin paste thickness=0.5mm / customer to define the final stencil gap" at 21.528,65.29 h0.4 r180
MP1F: Mechanical 2 "recommended tin paste thickness=0.5mm / customer to define the final stencil gap" at 47.563,65.29 h0.4 r180
MP1G: Mechanical 2 "recommended tin paste thickness=0.5mm / customer to define the final stencil gap" at 21.528,51.955 h0.4 r180
MP1H: Mechanical 2 "recommended tin paste thickness=0.5mm / customer to define the final stencil gap" at 47.563,51.955 h0.4 r180
P1: Top Overlay "40" at 36.2,34.6 h1.02 r180; Top Overlay "39" at 36.15,26.4 h1.02 r180; Top Overlay "1" at 50.75,26.4 h1.02 r180; Top Overlay "2" at 50.95,34.6 h1.02 r180
SW1: Top Overlay "1" at 179.708,34.079 h1 r90
SW2: Top Overlay "1" at 179.758,29.379 h1 r90